# Altium PCB PCB.PcbDoc
Units mil, origin at the board's own origin, x right, y up, seen from the top; angles counter-clockwise.
Board outline 3937.01 x 3937.01 mil, 2 copper layers (Top Layer, Bottom Layer); 53 components, 44 nets, 216 pads, 45 vias.
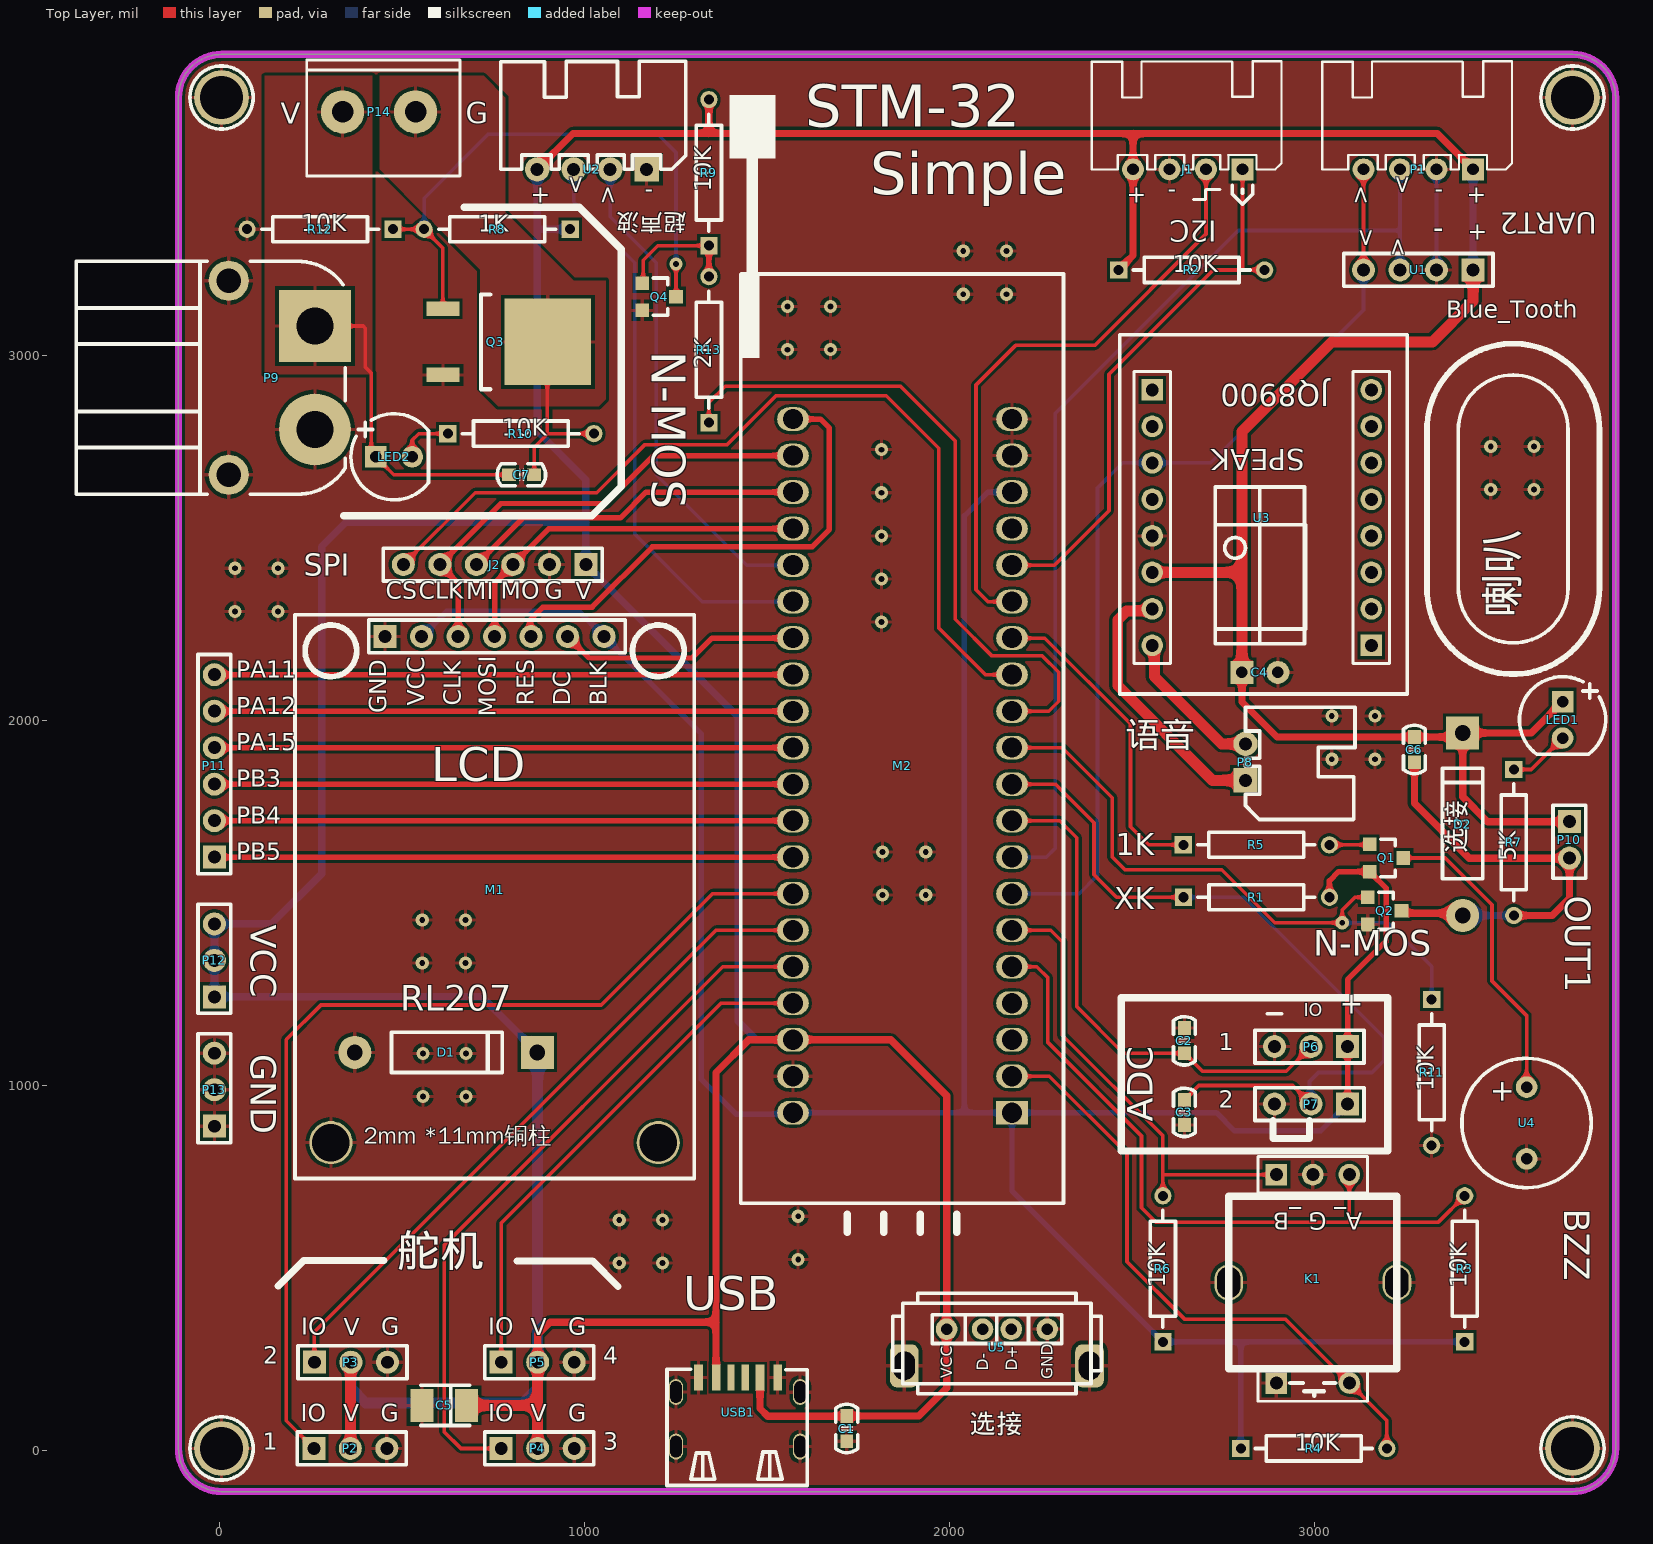
[diagram p0: Top Layer view]
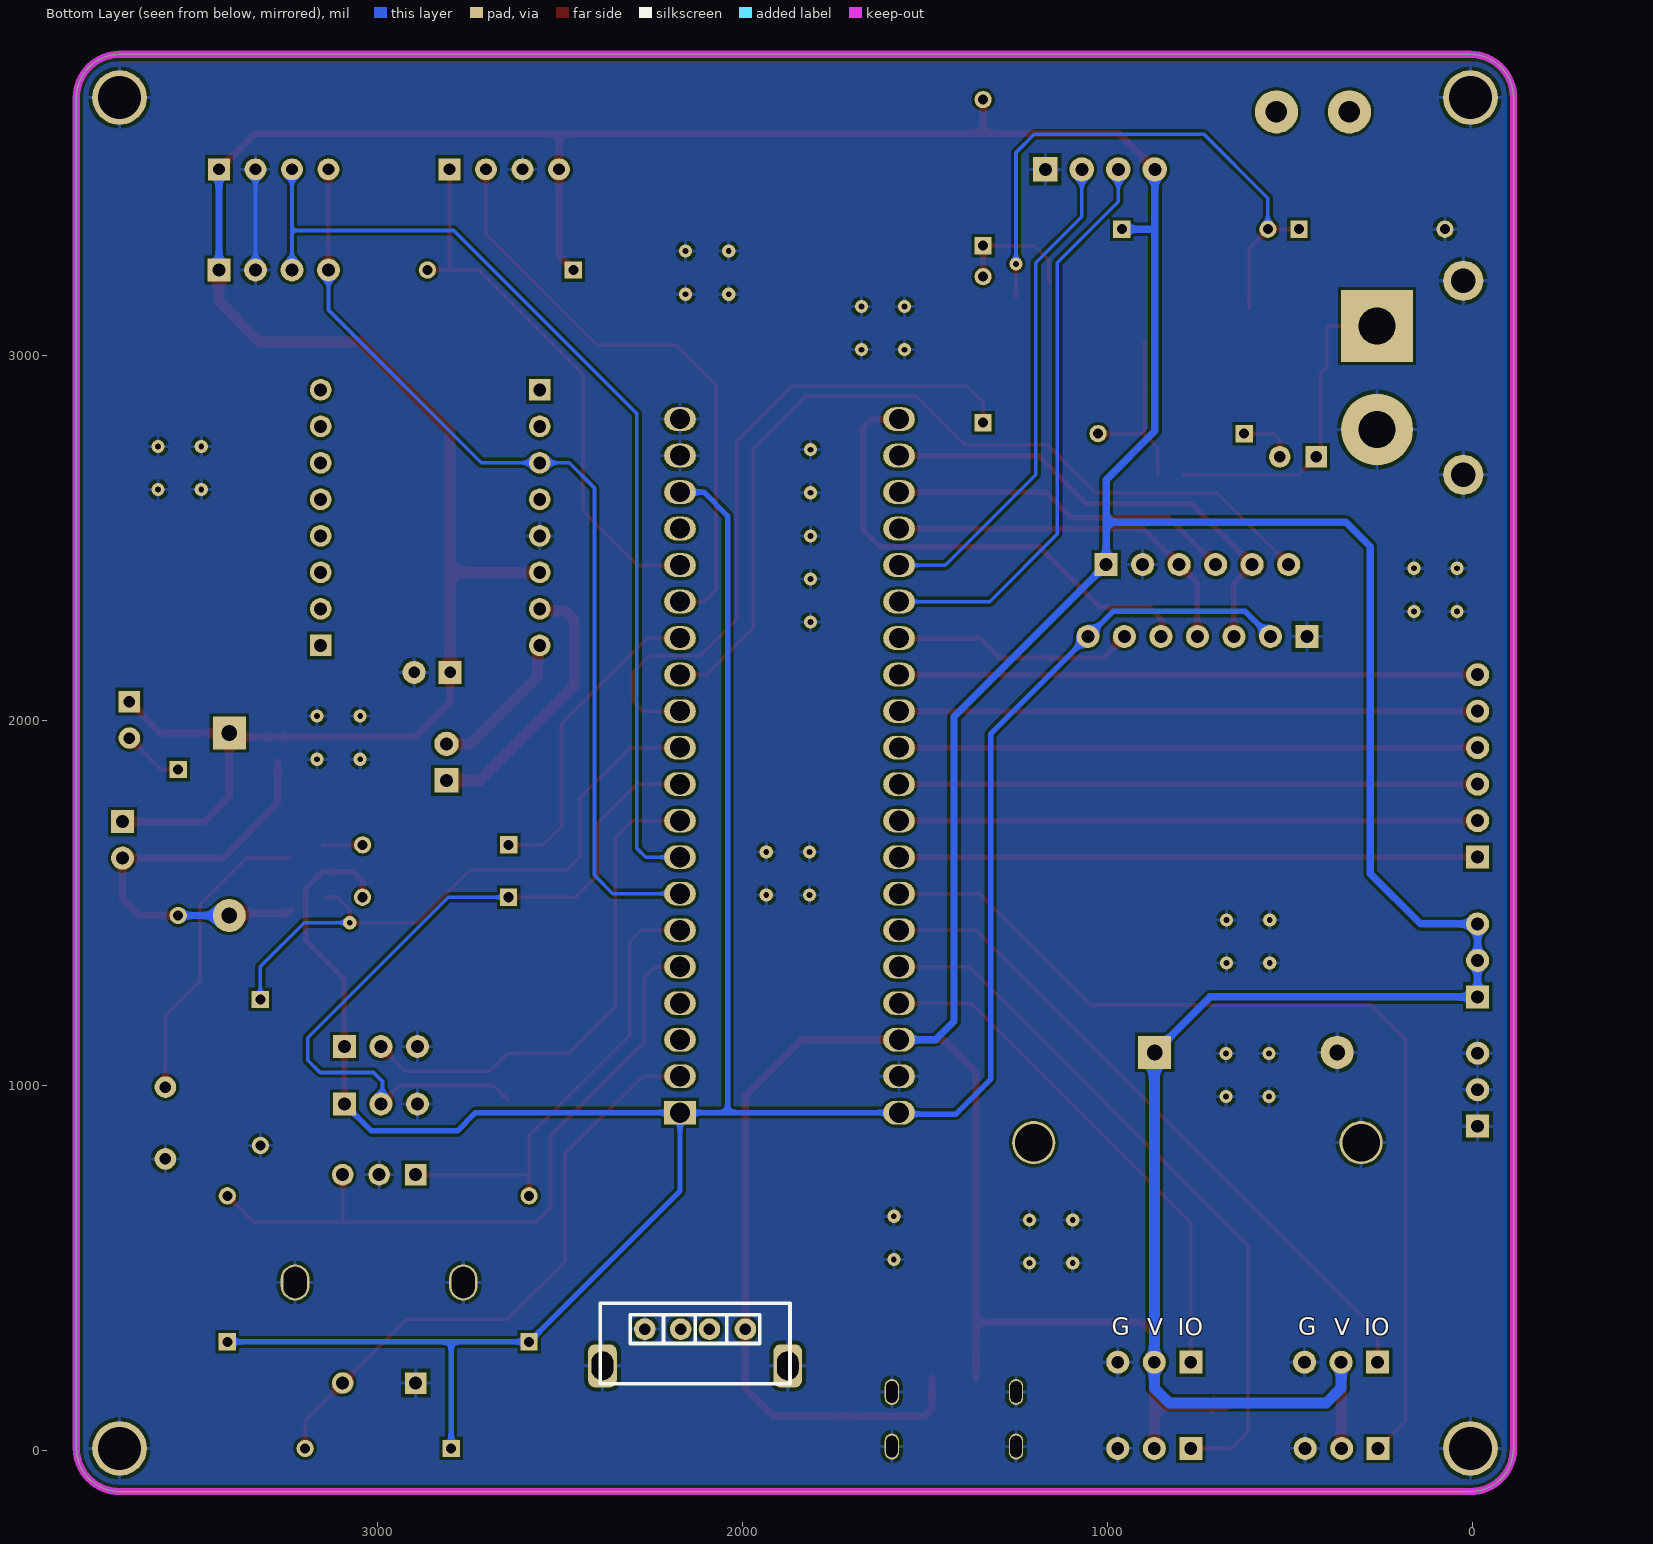
[diagram p1: Bottom Layer view, seen from below]

## Layer stack, top to bottom
Top Solder: solder mask 0.4, Solder Resist, Dk 3.5
Top Layer: signal copper 1.4
Dielectric 1: dielectric 12.6, FR-4, Dk 4.8
Bottom Layer: signal copper 1.4
Bottom Solder: solder mask 0.4, Solder Resist, Dk 3.5

## Board outline
-113.11,5 ccw(c5,5) 5,-113.11 3705.79,-113.11 ccw(c3705.79,5) 3823.9,5 3823.9,3705.79 ccw(c3705.79,3705.79) 3705.79,3823.9 5,3823.9 ccw(c5,3705.79) -113.11,3705.79

## Design rules (kind name [scope] priority, off if disabled: settings)
Clearance [All] p1: gap=8 ignorepadtopadclearanceinfootprint=TRUE
Height [All] p1: minheight=0 maxheight=2000 prefheight=10
HoleSize [All] p1: absolutevalues=TRUE maxlimit=196.85 minlimit=0.98 maxpercent=80.000 minpercent=20.000
HoleToHoleClearance [All] p1: gap=8 allowstackedmicrovias=TRUE
MinimumSolderMaskSliver [All] p1: minsoldermaskwidth=4
PolygonConnect [All] p1: connectstyle=Relief reliefconductorwidth=10 reliefentries=4 polygonreliefangle="90 Angle" airgapwidth=10
RoutingVias [All] p1: holewidth=12 width=20 viastyle="Through Hole" minholewidth=12 minwidth=20 maxholewidth=28 maxwidth=50
SilkToSilkClearance [All] p1: silktosilkclearance=0
SilkToSolderMaskClearance [IsPad] p1: minsilkscreentomaskgap=0 clearancetoexposedcopper=TRUE
SolderMaskExpansion [All] p1: expansion=4 istentingtop=FALSE
Width [All] p1: maxlimit=60 minlimit=8 preferedwidth=10
24 further rules are at their usual default settings.

## Components (designator, comment, footprint, x,y, rotation, side; value= is the part's Value field where it differs from the comment)
C1 "100NF" CAP_0603 1717.6,24.68 r90 top
C2 "100NF" CAP_0603 2642.8,1156.68 r270 top
C3 "100NF" CAP_0603 2642.8,890.83 r90 top
C4 "220UF" CAP_PR_2.5_6.3_RA 2849.49,2130.98 r0 top
C5 "100UF" CAP_3528_B 615.24,123.11 r0 top
C6 "100NF" CAP_0603 3272.72,1884.92 r90 top
C7 "100NF" CAP_0603 861.3,2672.32 r180 top
D1 "RL207" Diode_DO15 620,1090 r180 top
D2 "RL207" Diode_DO15 3405,1715 r270 top
J1 "IIC" IIC-XH2.54-4PIN 2801.85,3508.94 r180 top
J2 "SPI" "Header 2.54X6" 753.03,2426.26 r180 top
K1 "EC11" EC-11 2997.13,457.76 r180 top
LED1 "LED_R/G/B/Y" LED_5MM 3678.58,2001.1 r270 top
LED2 "LED_R/G/B/Y" LED_5MM 477.44,2721.54 r0 top
M1 "ST7899 1.3寸模块" LCD_1.3_MODE 453.03,2229.41 r0 top
M2 "STM32F103C8t6最小系统板" STM32F103C8_SIMPLE 2170.35,924.69 r180 top
P1 "UART" UART 3433.35,3508.94 r180 top
P2 "Header3" PWM_Steer-F 257.76,5 r0 top
P3 "Header3" PWM_Steer-B 259.33,241.22 r0 top
P4 "Header3" PWM_Steer-F 771.14,5 r0 top
P5 "Header3" PWM_Steer-B 771.14,241.22 r0 top
P6 "Header 3" "Header 2.54X3" 2989.61,1106.06 r180 top
P7 "Header 3" "Header 2.54X3" 2989.61,948.58 r180 top
P8 "OUT" XH2.54-WI-2P 2810,1885 r90 top
P9 "OUT" XT60-PW-M20 142.8,2938.07 r270 top
P10 "OUT" "Header 2.54X2" 3697.48,1672.09 r270 top
P11 "Header 6" "Header 2.54X6" -14.68,1874.68 r90 top
P12 "Header 3" "Header 2.54X3" -14.68,1342.01 r90 top
P13 "Header 3" "Header 2.54X3" -14.68,987.68 r90 top
P14 "OUT" PIN-2_5.08 336.5,3666.42 r0 top
Q1 "PNP" SOT23_3 3196.26,1622.6 r180 top
Q2 "MOS-N" SOT23_3 3191.26,1477.6 r180 top
Q3 "MOS-N" TO252_2 831.77,3036.5 r0 top
Q4 "NPN" SOT23_3 1203.74,3160 r180 top
R1 "XK" RES_0.4_1/4W 2840,1515 r0 top
R2 "10K" RES_0.4_1/4W 2662.48,3233.35 r0 top
R3 "10K" RES_0.4_1/4W 3410.51,497.13 r90 top
R4 "10K" RES_0.4_1/4W 2997.13,5 r0 top
R5 "1K" RES_0.4_1/4W 2839.65,1658.54 r0 top
R6 "10K" RES_0.4_1/4W 2583.74,497.13 r90 top
R7 "5K" RES_0.4_1/4W 3545,1665 r270 top
R8 "1K" RES_0.4_1/4W 760,3345 r180 top
R9 "10K" RES_0.4_1/4W 1340,3500 r90 top
R10 "10K" RES_0.4_1/4W 825,2785 r0 top
R11 "10K" RES_0.4_1/4W 3320,1035 r270 top
R12 "10K" RES_0.4_1/4W 275,3345 r180 top
R13 "2K" RES_0.4_1/4W 1340,3015 r90 top
U1 "Blue_Tooth 2.0/5.0" uart-Haerd 3433.35,3233.35 r0 top
U2 "HC-SR04" Ultrasonic 1169.57,3508.94 r180 top
U3 "JQ8900" SpkMo 2851.61,2703 r0 top
U4 "BEE" BEE-FMQ5mm 3580,995 r270 top
U5 "USB-OUT" USB_Bout 2190.04,319.96 r0 top
USB1 "Type_c母座 6p简易型" USB-Type-c_6P 1422.32,103.43 r0 top

## Footprints (in the part's own frame and the unit in brackets; to place one, negate y for a bottom-side part, rotate by r counter-clockwise, add the part's x,y. Pads: shape width x height; smd on the part's side, far side on the other; paste and mask are expansions set on the pad)
BEE-FMQ5mm [mm]
  round 1.5 hole 0.8: 1(0,0) 2(5,0)
  silkscreen extent -2,-4.5 7,4.5, body extent -2,-4.5 7,4.5, height 4.5
CAP_0603 [mil]
  rect 38x35 smd: 1(0,0) 2(69,0)
  silkscreen extent -31,-30 101,30, body extent 4,-16 67,16, height 12
CAP_3528_B [mm]
  rect 1.6x2.3 smd: 1(1.55,0) 2(-1.55,0)
  silkscreen extent -1.65,-1.4 1.75,1.4, body extent -1.75,-1.4 1.75,1.4, height 1.9
CAP_PR_2.5_6.3_RA [mm] "6.3X11"
  rect 1.6x1.6 hole 0.8: 1(-1.25,0)
  round 1.6 hole 0.8: 2(1.25,0)
  silkscreen extent -3.1,2 3.1,12.9, body extent -3.18,-0.3 3.18,13.02, height 6.38
Diode_DO15 [mm]
  rect 2.3x2.3 hole 1.1: 1(-6.35,0)
  round 2.3 hole 1.1: 2(6.35,0)
  silkscreen extent -3.9,-1.4 3.8,1.4, body extent -6.73,-1.76 6.83,1.8, height 3.58
EC-11 [mm]
  oval 2x2.5 hole 2.2 slot 1.6 at 0 deg: 0(-5.782,-0.051) 0(5.918,-0.051)
  round 1.5 hole 0.9: 1(-2.472,-7.551) 2(-2.472,6.949) 5(0.068,-7.551)
  rect 1.5x1.5 hole 0.9: 3(2.608,6.949) 4(2.608,-7.551)
  silkscreen extent -5.78,-8.82 5.92,8.22, body extent -6.92,-7.75 7.07,6.5, height 20.05
"Header 2.54X2" [mm]
  rect 1.6x1.6 hole 0.9: 1(-1.27,0)
  round 1.6 hole 0.9: 2(1.27,0)
  silkscreen extent -2.41,-1.14 2.67,1.14, body extent -2.41,-1.23 2.67,1.27, height 8.3
"Header 2.54X3" [mm]
  rect 1.6x1.6 hole 0.9: 1(-2.54,0)
  round 1.6 hole 0.9: 2(0,0) 3(2.54,0)
  silkscreen extent -3.68,-1.14 3.9,1.14, body extent -3.68,-1.23 3.94,1.27, height 8.3
"Header 2.54X6" [mm]
  rect 1.6x1.6 hole 0.9: 1(-6.35,0)
  round 1.6 hole 0.9: 2(-3.81,0) 3(-1.27,0) 4(1.27,0) 5(3.81,0) 6(6.35,0)
  silkscreen extent -7.49,-1.14 7.75,1.14, body extent -7.49,-1.23 7.75,1.27, height 8.3
IIC-XH2.54-4PIN [mil] "-XH2.54-4PIN-"
  rect 60x60 hole 32: 1(0,0)
  round 60 hole 32: 2(100,0) 3(200,0) 4(300,0)
  silkscreen extent -107,-296 413,96, body extent -105,-300 415,11, height 236
LCD_1.3_MODE [mm]
  round 3 hole 2.6: 0(-3.77,-35.22) 0(19.01,-35.22)
  rect 1.6x1.6 hole 0.9: 1(0,0)
  round 1.6 hole 0.9: 2(2.54,0) 3(5.08,0) 4(7.62,0) 5(10.16,0) 6(12.7,0) 7(15.24,0)
  silkscreen extent -6.27,-37.72 21.51,1.5, body extent -6.47,-37.72 21.71,1.5, height 17.05
LED_5MM [mm]
  rect 1.5x1.5 hole 0.8: 1(-1.27,0)
  round 1.5 hole 0.8: 2(1.27,0)
  silkscreen extent -3,-3 2.4,3, body extent -3,-3 2.5,3, height 8.5
PIN-2_5.08 [mm]
  round 3 hole 1.5: 1(0,0) 2(5.08,0)
  silkscreen extent -2.49,-4.47 8.18,3.61, body extent -2.48,-4.58 8.12,3.02, height 10
PWM_Steer-B [mm]
  rect 1.6x1.6 hole 0.9: 1(0,0)
  round 1.6 hole 0.9: 2(2.54,0) 3(5.08,0)
  silkscreen extent -1.14,-1.14 6.44,1.14, body extent -1.27,-7.01 6.35,1.26, height 4.43
PWM_Steer-F [mm]
  rect 1.6x1.6 hole 0.9: 1(0,0)
  round 1.6 hole 0.9: 2(2.54,0) 3(5.08,0)
  silkscreen extent -1.14,-1.14 6.44,1.14, body extent -1.27,-7.01 6.35,1.26, height 4.43
RES_0.4_1/4W [mm]
  rect 1.2x1.2 hole 0.7: 1(-5.08,0)
  round 1.2 hole 0.7: 2(5.08,0)
  silkscreen extent -4.06,-0.87 4.06,0.87, body extent -5.38,-1.25 5.38,1.27, height 2.56
SOT23_3 [mm]
  rect 0.95x0.95 smd: 1(1.175,-0.95) 2(1.175,0.95) 3(-1.175,0)
  silkscreen extent -0.6,-1.3 0.4,1.3, body extent -1.34,-1.5 1.3,1.5, height 1.08
SpkMo [mm]
  rect 1.5x1.5 hole 0.9: 1(-7.544,5.131) 9(7.696,-12.649)
  round 1.5 hole 0.9: 2(-7.544,2.591) 3(-7.544,0.051) 4(-7.544,-2.489) 5(-7.544,-5.029) 6(-7.544,-7.569) 7(-7.544,-10.109) 8(-7.544,-12.649) 10(7.696,-10.109) 11(7.696,-7.569) 12(7.696,-5.029) 13(7.696,-2.489) 14(7.696,0.051) 15(7.696,2.591) 16(7.696,5.131)
  silkscreen extent -9.81,-16.04 10.19,8.96, body extent -9.8,-16 10.26,9.58, height 14.79
STM32F103C8_SIMPLE [mm]
  rect 2.2x1.66 hole 1.4: 1(0,0)
  oval 2.2x1.66 hole 1.4: 2(0,-2.54) 3(0,-5.08) 4(0,-7.62) 5(0,-10.16) 6(0,-12.7) 7(0,-15.24) 8(0,-17.78) 9(0,-20.32) 10(0,-22.86) 11(0,-25.4) 12(0,-27.94) 13(0,-30.48) 14(0,-33.02) 15(0,-35.56) 16(0,-38.1) 17(0,-40.64) 18(0,-43.18) 19(0,-45.72) 20(0,-48.26) 21(15.24,-48.26) 22(15.24,-45.72) 23(15.24,-43.18) 24(15.24,-40.64) 25(15.24,-38.1) 26(15.24,-35.56) 27(15.24,-33.02) 28(15.24,-30.48) 29(15.24,-27.94) 30(15.24,-25.4) 31(15.24,-22.86) 32(15.24,-20.32) 33(15.24,-17.78) 34(15.24,-15.24) 35(15.24,-12.7) 36(15.24,-10.16) 37(15.24,-7.62) 38(15.24,-5.08) 39(15.24,-2.54) 40(15.24,0)
  silkscreen extent -3.58,-70.81 19.67,6.29, body extent -3.96,-70.9 19.9,6.29, height 25.5
TO252_2 [mm]
  rect 2.3x1 smd: 1(-5.6,2.3) 2(-5.6,-2.3)
  rect 6x6 smd: 3(1.7,0)
  silkscreen extent -2.95,-3.29 -2.29,3.29, body extent -5.5,-3.29 4.2,3.29, height 2.3
UART [mil] "-XH2.54-4PIN"
  rect 60x60 hole 32: 1(0,0)
  round 60 hole 32: 2(100,0) 3(200,0) 4(300,0)
  silkscreen extent -107,-296 413,0, body extent -105,-300 415,11, height 236
uart-Haerd [mm]
  rect 1.6x1.6 hole 0.9: 1(0,0)
  round 1.6 hole 0.9: 2(-2.54,0) 3(-5.08,0) 4(-7.62,0)
  silkscreen extent -9,-1.14 1.39,1.14, body extent -9.02,-1.25 1.4,1.25, height 8.6
Ultrasonic [mm] "-XH2.54-4PIN"
  round 1.7 hole 0.9: 1(7.62,0) 2(5.08,0) 3(2.54,0)
  rect 1.7x1.7 hole 0.9: 4(0,0)
  silkscreen extent -2.72,-7.53 10.16,0, body extent -2.5,-7.35 10.12,0.35, height 5.73
USB-Type-c_6P [mm]
  oval 1x1.8 hole 0.8 slot 1.5 at 90 deg: A(-4.38,1.43) B(4.256,1.43) C(-4.38,-2.37) D(4.256,-2.37)
  rect 0.5x1.8 smd: A5(-0.56,2.43) B5(0.44,2.43)
  rect 0.6x1.8 smd: A9(1.47,2.43) A12(2.69,2.43) B9(-1.59,2.43) B12(-2.81,2.43)
  silkscreen extent -5,-5.08 4.76,3, body extent -4.53,-4.97 4.41,1.83, height 3.22
USB_Bout [mm] "USB"
  round 1.5 hole 0.8: 1(-5.05,0.3) 2(-2.55,0.3) 3(-0.55,0.3) 4(1.95,0.3)
  rrect50% 2x3 hole 2 slot 1.5 at 0 deg: 5(4.9,-2.25) 6(-8,-2.25)
  silkscreen extent -8.8,-4.2 5.7,2.8, body extent -9.35,-12.59 6.45,1.57, height 2.2
XH2.54-WI-2P [mm] "接插件，2P"
  rect 1.7x1.7 hole 0.9: 1(-1.27,0)
  round 1.7 hole 0.9: 2(1.27,0)
  silkscreen extent -3.99,-7.62 3.81,0, body extent -3.77,-7.35 3.77,0.35, height 5.73
XT60-PW-M20 [mm] "长：18.8mm， 宽：16mm，高：8.6mm"
  round 2.8 hole 1.7: 0(-6.75,-3) 0(6.75,-3)
  rect 5x5 hole 2.6: 1(-3.6,3)
  round 5 hole 2.6: 2(3.6,3)
  silkscreen extent -8.1,-13.6 8.1,5.1, body extent -7.75,-14.97 7.75,5.03, height 9.7

## Part data
C1 C2 C3 C6 C7: library part CAP, "CAP  12~50V"
C4: library part CAP_BIG, "CAP 12V ~ 50V   电解电容"
C5: library part CAP_TA, "CAP  6~12V  钽电容"
D1 D2: library part Diode-DO, "Diode_肖特基/二极管  / 直插"
J1: "MLX90614 GY-906-BCC"
J2: "Heard"
K1: library part EN-CODE, "KEY"
LED1 LED2: library part LED, "LED 5MM"
M1: library part LCD_TFT_1.3_MODE, "SHOW"
M2: library part STM32F103C-Sys, "Mode STM32F103C8t6最小系统板"
P1: "Header XH2.54 弯针座 4PIN"
P2 P3 P4 P5: library part PWM_D, "Header"
P6 P7 P12 P13: "Header, 3-Pin", LatestRevisionDate=17-Jul-2002, LatestRevisionNote="Re-released for DXP Platform.", Publisher="Altium Limited"
P8 P10: library part OUT_2PIN, "Header"
P9: library part "IN _2PIN", "Header"
P11: "Header, 6-Pin", LatestRevisionDate=17-Jul-2002, LatestRevisionNote="Re-released for DXP Platform.", Publisher="Altium Limited"
P14: library part OUT_2PIN, "Header KF127a-5.08-2PIN"
Q2: "MOSFET N-CH SI2308", Current - Continuous Drain (Id) @ 25°C=-, Drive Voltage (Max Rds On,  Min Rds On)="4.5V, 10V", Input Capacitance (Ciss) (Max) @ Vds="3600pF @ 25V", Manufacturer="ON Semiconductor", Manufacturer Part Number=NTMFS5C628NLT1G, Operating Temperature="-55°C ~ 175°C (TJ)", Package / Case=8-PowerTDFN, Power Dissipation (Max)="3.7W (Ta), 110W (Tc)", Supplier Device Package="5-DFN (5x6) (8-SOFL)", Supplier Part Number 1=NTMFS5C628NLT1GOSCT-ND, Category="Discrete Semiconductor Products", ComponentLink1Description=http://www.onsemi.com/pub/Collateral/NTMFS5C628NL-D.PDF, ComponentLink1URL=http://www.onsemi.com/pub/Collateral/NTMFS5C628NL-D.PDF, FET Feature=-, FET Type=N-Channel, Gate Charge (Qg) (Max) @ Vgs="52nC @ 10V", Mounting Type="Surface Mount", Packaging="Cut Tape (CT)", Part Status=Active, Pricing 1="1=1.8, 10=1.627, 100=1.3078, 500=1.01716 (USD)", Pricing 2="1500=0.81823 (USD)", Rds On (Max) @ Id, Vgs="2.4 mOhm @ 50A, 10V", RoHS="RoHS Compliant", Stock=1490, Supplier 1=Digi-Key, Supplier 2=Digi-Key, Supplier Part Number 2=NTMFS5C628NLT1GOSTR-ND, Technology="MOSFET (Metal Oxide)", Vgs (Max)=±20V, Vgs(th) (Max) @ Id="2V @ 135µA"
Q3: "MOSFET N-CH NCE3050K", Current - Continuous Drain (Id) @ 25°C=-, Drive Voltage (Max Rds On,  Min Rds On)="4.5V, 10V", Input Capacitance (Ciss) (Max) @ Vds="3600pF @ 25V", Manufacturer="ON Semiconductor", Manufacturer Part Number=NTMFS5C628NLT1G, Operating Temperature="-55°C ~ 175°C (TJ)", Package / Case=8-PowerTDFN, Power Dissipation (Max)="3.7W (Ta), 110W (Tc)", Supplier Device Package="5-DFN (5x6) (8-SOFL)", Supplier Part Number 1=NTMFS5C628NLT1GOSCT-ND, Category="Discrete Semiconductor Products", ComponentLink1Description=http://www.onsemi.com/pub/Collateral/NTMFS5C628NL-D.PDF, ComponentLink1URL=http://www.onsemi.com/pub/Collateral/NTMFS5C628NL-D.PDF, FET Feature=-, FET Type=N-Channel, Gate Charge (Qg) (Max) @ Vgs="52nC @ 10V", Mounting Type="Surface Mount", Packaging="Cut Tape (CT)", Part Status=Active, Pricing 1="1=1.8, 10=1.627, 100=1.3078, 500=1.01716 (USD)", Pricing 2="1500=0.81823 (USD)", Rds On (Max) @ Id, Vgs="2.4 mOhm @ 50A, 10V", RoHS="RoHS Compliant", Stock=1490, Supplier 1=Digi-Key, Supplier 2=Digi-Key, Supplier Part Number 2=NTMFS5C628NLT1GOSTR-ND, Technology="MOSFET (Metal Oxide)", Vgs (Max)=±20V, Vgs(th) (Max) @ Id="2V @ 135µA"
R1 R2 R3 R4 R5 R6 R7 R8 R9 R10 R11 R12 R13: library part RES_S, "RES 贴片"
U1: library part HC-02/06, "MODE HC-06(记得买底座 排母-4PIN)"
U2: library part Ultrasonic, "Mode"
U3: library part SPKMO_8900, "MODE"
U4: library part BZZ
U5: "USB-A母 90 度 带后盖"
USB1: library part USB-Type_c-6PIn, "USB"

## Free pads (board coordinates)
  round 149.61 hole 118.11: 1(5,5) 1(5,3705.79) 1(3705.79,5) 1(3705.79,3705.79)

## Via types
v1: diameter 36, hole 16, Top Layer to Bottom Layer, tented both sides, 45 vias

## Nets (pads, with @x,y where several pads share a name; then routed paths per layer and width w, separated by ;. In a path a pad name is that pad's centre, name@x,y a point inside that pad or via, vN(x,y) a via of type N, cw(c..) or ccw(c..) an arc to the next point about the centre after c; other vN are vias at no path point)
+5: C1.2 C4.1 C5.1 C6.2 D1.1 D2.1 J1.4 J2.1 LED1.1 M2.38 P1.1 P2.2 P3.2 P4.2 P5.2 P10.1 P12.1 P12.2 P12.3 R2.1 R8.1 R9.2 U1.1 U2.1 U3.6 U5.1 USB1.A9 USB1.B9 | length 18477.5
  Top Layer w20: U2.1 967.99,3607.36 1340,3607.36 ; P5.2 871.14,317.6 904.61,351.06 1359.72,351.06 ; R9.2 1340,3607.36 ; USB1.B9 1359.72,351.06 ; USB1.A9 1480.2,114.45 1501.06,93.58 1717.5,93.58 C1.2 1914.55,93.69 1991.22,170.35 U5.1 1991.22,971.54 1838.07,1124.68 M2.38 1449.49,1124.68 1359.72,1034.92 1359.72,351.06 ; R2.1 2501.85,3272.72 J1.4 2501.85,3607.36 ; C4.1 2800.28,2049.72 2896.08,1953.92 C6.2 3393.92,1953.92 D2.1 ; P1.1 3334.92,3607.36 2501.85,3607.36 ; LED1.1 3592.48,1965 D2.1 ; P10.1 3472.91,1722.09 3405,1790 D2.1 ; 1340,3607.36 2501.85,3607.36
  Top Layer w30: P2.2 358.54,5.79 358.54,240.43 P3.2 ; C5.1 871.14,123.11 ; P4.2 871.14,123.11 ; P5.2 871.14,123.11 ; U3.6 2800.28,2405 ; C4.1 2800.28,2405 ; U1.1 3433.35,3147.91 3321.93,3036.5 3046.34,3036.5 2800.28,2790.43 2800.28,2405
  Bottom Layer w20: U2.1 869.57,3350 ; D1.1 719.13,1240.87 719.13,1242.01 P12.1 P12.2 P12.3 142.01,1442.01 279.61,1579.61 279.61,2476.06 345.94,2542.4 1003.03,2542.4 ; R8.1 874.57,3345 869.57,3350 ; M2.38 1470.32,1124.68 1420,1175 1420,2009.29 J2.1 1003.03,2542.4 ; U1.1 P1.1 ; 869.57,3350 869.57,2792.01 1003.03,2658.54 1003.03,2542.4
  Bottom Layer w30: P2.2 357.76,2.24 P2.2@360,0 ; P3.2 359.33,170.67 400,130 830,130 871.14,171.14 P5.2 871.14,1090 D1.1
ADC1: C2.2 M2.9 P6.2 | length 1403.4
  Top Layer w10: M2.9 2301.06,1724.68 2347.52,1678.23 2347.52,1215.63 2475.47,1087.68 C2.2 2642.8,1086.18 2655.3,1073.68 2656.8,1073.68 2692.01,1038.46 2922.01,1038.46 P6.2
ADC2: C3.2 M2.10 P7.2 R1.1 | length 2131.6
  Top Layer w10: M2.10 2289.65,1824.68 2395,1719.33 2395,1576.89 2456.89,1515 R1.1 ; C3.2 2642.8,961.33 2655.3,973.83 2656.8,973.83 2682.06,999.09 2939.09,999.09 P7.2
  Bottom Layer w10: R1.1 2805,1515 3190,1130 3190,1068.74 3156.25,1035 3010,1035 2985.51,1010.51 2985.51,948.58 P7.2
BZZ: M2.14 R5.1 | length 869
  Top Layer w10: M2.14 2260.32,2224.68 2495,1990 2495,1707.91 2544.37,1658.54 R5.1
CS_NSS2: J2.6 M2.13 | length 2463.9
  Top Layer w10: J2.6 699.88,2623.11 1033.11,2623.11 1165,2755 1390,2755 1523.86,2888.86 1826.14,2888.86 1970,2745 1970,2252.6 2097.91,2124.68 M2.13
D/C: M1.6 M2.27 | length 664.3
  Top Layer w15: M1.6 1012.09,2170.35 1294.37,2170.35 1348.7,2224.68 M2.27
EA: K1.1 M2.5 R3.2 | length 1909.3
  Top Layer w10: M2.5 2238.46,1324.68 2268.78,1294.37 2268.78,1117.2 2525,860.98 2525,664.13 2564.06,625.08 3095.55,625.08 ; K1.1 3094.44,626.19 3095.55,625.08 ; R3.2 3338.46,625.08 3095.55,625.08
EB: K1.4 M2.6 R6.2 | length 1272.4
  Top Layer w10: M2.6 2276.26,1424.68 2308.15,1392.8 2308.15,1136.89 2583.74,861.3 2583.74,753.03 ; R6.2 2583.74,753.03 ; K1.4 2585.74,755.03 2583.74,753.03
Echo: M2.25 U2.3 | length 1365.9
  Bottom Layer w10: U2.3 1069.57,3379.41 1195.94,3253.03 1195.94,2672.32 1443.58,2424.68 M2.25
GND: C1.1 C2.1 C3.1 C4.2 C5.2 D1.2 J1.3 J2.2 K1.0 K1.3 K1.5 M1.0@304.61,842.8 M1.1 M2.19 M2.20 M2.39 P1.2 P2.3 P3.3 P4.3 P5.3 P6.3 P7.3 P9.0 P9.2 P13.1 P13.2 P13.3 pad.1 Q2.2 Q3.2 Q4.2 R11.2 R12.2 U1.2 U2.4 U3.5 U4.2 U5.4 U5.5 U5.6 USB1.A USB1.A12 USB1.B USB1.B12 USB1.C USB1.D | length 275.6
  Bottom Layer w10: U1.2 P1.2
  other v1: 1094.61,512.95 1212.72,512.95 1584.61,522.95 1094.61,631.06 1212.72,631.06 1584.61,641.06 556.89,968.78 675,968.78 556.89,1086.89 675,1086.89 555,1335 673.11,1335 555,1453.11 673.11,1453.11 1816.02,1520.75 1934.13,1520.75 1816.02,1638.86 1934.13,1638.86 3046.5,1892.95 3164.61,1892.95 3046.5,2011.06 3164.61,2011.06 1812.72,2268.62 41.5,2297.95 159.61,2297.95 1812.72,2386.73 41.5,2416.06 159.61,2416.06 1812.72,2504.84 1812.72,2622.95 3481.89,2631.89 3600,2631.89 1812.72,2741.06 3481.89,2750 3600,2750 1555,3015 1673.11,3015 1555,3133.11 1673.11,3133.11 2036.89,3166.89 2155,3166.89 2036.89,3285 2155,3285
IN+: C7.2 LED2.1 P9.1 P14.1 | length 889.8
  Top Layer w10: P9.1 392.84,3079.8 398.7,3073.95 398.7,2967.6 415,2951.3 415,2733.98 476.65,2672.32 C7.2
IOO1: M2.33 P11.1 | length 1585
  Top Layer w15: P11.1 M2.33
IOO2: M2.32 P11.2 | length 1585
  Top Layer w15: P11.2 M2.32
IOO3: M2.31 P11.3 | length 1585
  Top Layer w15: P11.3 M2.31
IOO4: M2.30 P11.4 | length 1585
  Top Layer w15: P11.4 M2.30
IOO5: M2.29 P11.5 | length 1585
  Top Layer w15: P11.5 M2.29
IOO6: M2.28 P11.6 | length 1585
  Top Layer w15: P11.6 M2.28
KEY: K1.2 M2.2 R4.2 | length 1666.9
  Top Layer w10: M2.2 2272.72,1024.68 2485.32,812.09 2485.32,516.81 2642.8,359.33 2919.28,359.33 K1.2 3197.13,81.48 R4.2
MISO: J2.4 M2.23 | length 949.5
  Top Layer w15: J2.4 830.98,2554.21 1097.76,2554.21 1168.23,2624.68 M2.23
MOS_1: M2.11 Q2.1 R11.1 | length 1702.7
  Top Layer w10: M2.11 2307.76,1924.68 2445,1787.44 2445,1625 2480,1590 2745,1590 2890,1445 v1(3075,1445) 3075,1480 3110,1515 Q2.1
  Bottom Layer w10: v1(3075,1445) 3200,1445 3320,1325 R11.1
MOS_2: M2.12 R13.1 | length 1861
  Top Layer w10: R13.1 1340,2870 1385,2915 1865,2915 2015,2765 2015,2276.5 2115.43,2176.06 2253.23,2176.06 2298.31,2130.98 2298.31,2052.24 2270.75,2024.68 M2.12
MOSI: J2.3 M1.4 M2.24 | length 1025.7
  Top Layer w15: M1.4 753.03,2376.26 901.46,2524.68 M2.24
NetLED1_2: LED1.2 R7.1 | length 169.2
  Top Layer w10: R7.1 3592.48,1865 LED1.2
NetLED2_2: LED2.2 R10.1 | length 150.7
  Top Layer w10: LED2.2 527.44,2767.44 545,2785 R10.1
NetQ1_1: Q1.1 R5.2 | length 111
  Top Layer w10: R5.2 3148.54,1658.54 Q1.1
NetQ1_3: Q1.3 U4.1 | length 834.7
  Top Layer w10: Q1.3 3357.4,1622.6 3485.45,1494.55 3485.45,1285.45 3580,1190.9 U4.1
NetQ3_1: Q3.1 Q4.3 R8.2 R12.1 | length 1587.4
  Top Layer w10: R12.1 R8.2 611.3,3293.7 Q3.1 ; Q4.3 v1(1250,3250)
  Bottom Layer w10: R8.2 560,3430 735,3605 1200,3605 1250,3555 v1(1250,3250)
NetQ4_1: Q4.1 R9.1 R13.2 | length 345.2
  Top Layer w10: Q4.1 1157.48,3197.48 1160,3200 1160,3260 1200,3300 R9.1
  Top Layer w15: R13.2 R9.1
OUT_1: C6.1 D2.2 P10.2 Q2.3 R7.2 | length 1194.1
  Top Layer w20: Q2.3 3243.82,1471.3 3398.7,1471.3 D2.2 ; C6.1 3272.72,1772.28 3422.91,1622.09 P10.2 3697.48,1512.48 3650,1465 R7.2
  Bottom Layer w20: D2.2 R7.2
OUT_2: C7.1 P14.2 Q3.3 R10.2 | length 506.5
  Top Layer w10: C7.1 861.3,2747.6 898.7,2785 R10.2 ; 897.4,2785 897.4,3035.2 Q3.3
PWM1: M2.34 P2.1 | length 2705.1
  Top Layer w10: P2.1 182.17,80.59 182.17,1125 277.17,1220 1045.32,1220 1350,1524.68 M2.34
PWM2: M2.35 P3.1 | length 1849.9
  Top Layer w10: P3.1 259.33,324.33 1359.68,1424.68 M2.35
PWM3: M2.36 P4.1 | length 1957.7
  Top Layer w10: P4.1 660.67,5 614.61,51.06 614.61,561.06 1378.23,1324.68 M2.36
PWM4: M2.37 P5.1 | length 1430
  Top Layer w10: P5.1 771.14,622.6 1373.23,1224.68 M2.37
RES: M1.5 M2.21 | length 1356.8
  Top Layer w15: M1.5 853.03,2231.97 850,2235 850,2275 885,2310 1020,2310 1185,2475 1622.65,2475 1670,2522.35 1670,2800 1645.32,2824.68 M2.21
RXD: M2.8 P1.3 U1.3 | length 2747.4
  Bottom Layer w10: M2.8 2264.45,1624.68 2288.46,1648.7 2288.46,2839.65 2790.43,3341.61 3233.35,3341.61 ; U1.3 3233.35,3341.61 ; P1.3 3233.35,3341.61
SCL: J1.2 M2.15 | length 1651.3
  Top Layer w10: M2.15 2104.61,2324.68 2071.93,2357.36 2071.93,2918.39 2180.2,3026.65 2396.73,3026.65 2701.85,3331.77 J1.2
SCLK: J2.5 M1.3 M2.22 | length 1308.5
  Top Layer w15: M1.3 653.03,2376.26 J2.5 770.35,2593.58 1057.13,2593.58 1188.23,2724.68 M2.22
SDA: J1.1 M2.16 R2.2 | length 1522.3
  Top Layer w10: M2.16 2286.89,2424.68 2436.1,2573.9 2436.1,2947.91 2721.54,3233.35 2800.61,3233.35 ; J1.1 2801.85,3234.58 2800.61,3233.35 ; R2.2 2800.61,3233.35
SPK+: P8.2 U3.8 | length 413.9
  Top Layer w30: U3.8 2560.17,2199.44 2560.17,2119.83 2745,1935 P8.2
SPK-: P8.1 U3.7 | length 744.7
  Top Layer w30: U3.7 2549.05,2299.44 2484.44,2299.44 2460,2275 2460,2095 2720,1835 P8.1
Trig: M2.26 U2.2 | length 1578.5
  Bottom Layer w10: U2.2 969.57,3420.43 1136.89,3253.11 1136.89,2510 1322.2,2324.68 M2.26
TXD: M2.7 P1.4 U1.4 U3.3 | length 2632.3
  Top Layer w10: U1.4 P1.4
  Bottom Layer w10: M2.7 2354.41,1524.68 2404.61,1574.88 2404.61,2636.06 2473.54,2705 U3.3 2714.84,2705 3133.35,3123.5 U1.4
VDD: M1.2 M1.7 M2.1 M2.18 M2.40 P6.1 P7.1 Q1.2 R1.2 R3.1 R4.1 R6.1 | length 8320.9
  Top Layer w15: R1.2@3037.39,1517.61 R1.2 3040,1560 3065,1585 3149.8,1585 Q1.2 3195,1540.2 3195,1395 3089.61,1289.61 P6.1 P7.1
  Bottom Layer w15: M1.2 621.93,2298.31 984.13,2298.31 M1.7 1319.61,1962.83 1319.61,1016.06 1414.61,921.06 1566.73,921.06 M2.40 2040,924.69 ; M2.18 2104.68,2624.68 2040,2560 2040,924.69 ; R4.1 2797.13,297.13 ; P7.1 3016.02,875 2780,875 2730.32,924.69 M2.1 ; R3.1 2797.13,297.13 ; 2040,924.69 M2.1 ; M2.1 2170.35,710.51 R6.1 2797.13,297.13
pads on no net: M1.0@1201.46,842.8 M2.3 M2.4 M2.17 U3.1 U3.2 U3.4 U3.9 U3.10 U3.11 U3.12 U3.13 U3.14 U3.15 U3.16 U5.2 U5.3 USB1.A5 USB1.B5

## Polygon pours and split planes (outlines as drawn)
GND on Top Layer "NONET_L-01_P-001" (solid, remove dead copper, pour order 2): -579.12,4510.13 4342.14,4510.13 4342.14,-607.98 -579.12,-607.98
OUT_2 on Top Layer "NONET_L-01_P-001" (solid, remove dead copper, pour order 1): 438.07,3764.84 723.5,3764.84 782.56,3705.79 782.56,3390.83 969.57,3203.82 1058.15,3203.82 1058.15,2879.02 1038.46,2859.33 762.87,2859.33 713.66,2908.54 713.66,3233.35 438.07,3508.94
IN+ on Top Layer "NONET_L-01_P-001" (solid, remove dead copper, pour order 0): 123.11,3764.84 418.39,3764.84 418.39,2947.91 123.11,2947.91
GND on Bottom Layer "NONET_L-01_P-001" (solid, remove dead copper, pour order 3): -465.87,4512.87 4455.39,4512.87 4455.39,-605.24 -465.87,-605.24

## Keep-outs
Keep-Out Layer:
  the board outline again, w20

## Silkscreen, mask and mechanical layers (free items; w line width, h text height)
Top Overlay:
  circle w10: c5,5 r86.61
  circle w10: c3705.79,5 r86.61
  circle w10: c3705.79,3705.79 r86.61
  circle w10: c5,3705.79 r86.61
  lines w10: 2869.61,1195.75 2909.61,1195.75 ; 3779.53,2362.2 3779.53,2795.28 ; 3392.97,2362.2 ccw(c3543.31,2362.2) 3693.64,2362.2 3693.64,2795.28 ccw(c3543.31,2795.28) 3392.97,2795.28 3392.97,2362.2
  lines w16: 3307.09,2362.2 ccw(c3543.31,2362.2) 3779.53,2362.2 3779.53,2795.28 ccw(c3543.31,2795.28) 3307.09,2795.28 3307.09,2362.2
  lines w20: 340,2560 1020,2560 1100,2640 1100,3290 985,3405 670,3405 ; 815,518.78 1021.22,518.78 1091.22,448.78 ; 1719.39,596.85 1719.39,646.85 ; 1819.39,596.85 1819.39,646.85 ; 1919.39,596.85 1919.39,646.85 ; 2019.39,596.85 2019.39,646.85 ; 2885.33,903.58 2885.33,853.88 2985.33,853.88 2985.33,903.58 ; 230,520 450,520 230,520 ; 230,520 160,450 230,520 ; 2470,820 2470,1240 3200,1240 3200,820 2470,820
  text "10K" at 1362.29,3447.91 h80 r90
  text "UART2" at 3771.85,3408.64 h100 r180
  text "超声波" at 1280,3401.79 h80 r180
  text "I2C" at 2730.91,3388.01 h100 r180
  text "10K" at 222.91,3322.71 h80
  text "1K" at 707.91,3321.97 h80
  text "1K" at 707.91,3321.97 h80
  text "10K" at 2610.39,3211.06 h80
  text "Blue_Tooth" at 3360,3085.84 h80
  text "N-MOS" at 1151.48,3010 h160 r270
  text "2K" at 1363.03,2962.99 h80 r90
  text "10K" at 772.91,2762.71 h80
  text "CS" at 455.07,2315.74 h80
  text "CLK" at 545.07,2315.74 h80
  text "MO" at 770,2315.74 h80
  text "G" at 890.07,2315.74 h80
  text "MI" at 675,2315 h80
  text "V" at 975,2315 h80
  text "喇叭" at 3584.73,2280 h150 r90
  text "PA11" at 45.63,2100 h80
  text "PA12" at 45.63,2000 h80
  text "语音" at 2480,1902.22 h120
  text "PA15" at 45.63,1900.74 h80
  text "PB3" at 45.63,1800.74 h80
  text "LCD" at 580,1801.48 h160
  text "PB4" at 45.63,1700 h80
  text "选接" at 3430.92,1635.08 h90 r90
  text "5K" at 3567.29,1612.91 h80 r90
  text "PB5" at 45.63,1600.74 h80
  text "OUT1" at 3663.12,1519.06 h120 r270
  text "VCC" at 61.74,1440 h120 r270
  text "N-MOS" at 2995,1331.11 h120
  text "RL207" at 495,1181.11 h120
  text "+" at 3067.85,1176.86 h98.43
  text "IO" at 2969.61,1176.3 h60
  text "GND" at 61.74,1085.56 h120 r270
  text "1" at 2736.85,1079.57 h80
  text "10K" at 3342.29,982.91 h80 r90
  text "2" at 2736.85,922.09 h80
  text "ADC" at 2578.89,900 h120 r90
  text "2mm *11mm铜柱" at 395.07,822.84 h80
  text "BZZ" at 3660,662.27 h120 r270
  text "舵机" at 485,475.82 h150
  text "10K" at 2606.03,445.04 h80 r90
  text "10K" at 3432.8,445.04 h80 r90
  text "USB" at 1270,351.48 h160
  text "2" at 119.33,221.22 h80
  text "4" at 1050,220 h80
  text "选接" at 2055.08,29.08 h90
  text "1" at 117.76,-15 h80
  text "3" at 1050,-15.48 h80
  text "10K" at 2945.04,-17.29 h80

## Text inside footprints (layer, text, board x,y; h text height)
J1: Top Overlay "+" at 2484.85,3474.7 h80 r180; Top Overlay "-" at 2619.85,3416.7 h80
K1: Top Overlay "A_ G _B" at 3130.13,667.03 h80 r180
M1: Top Overlay "BLK" at 1077.03,2039.41 h80 r90; Top Overlay "DC" at 976.29,2039.41 h80 r90; Top Overlay "RES" at 876.29,2039.41 h80 r90; Top Overlay "MOSI" at 772.29,2009.41 h80 r90; Top Overlay "CLK" at 676.29,2039.48 h80 r90; Top Overlay "VCC" at 576.29,2039.41 h80 r90; Top Overlay "GND" at 472.29,2019.48 h80 r90
M2: Top Overlay "STM-32" at 1603.88,3587.77 h196.85; Top Overlay "Simple" at 1781.83,3402.3 h196.85
P1: Top Overlay "<" at 3163.23,3464.94 h80 r90; Top Overlay "+" at 3416.35,3474.7 h80 r180; Top Overlay "<" at 3203.46,3439.94 h80 r270; Top Overlay "-" at 3351.35,3416.7 h80
P2: Top Overlay "G" at 440.76,63.41 h80; Top Overlay "V" at 338.76,62.74 h80; Top Overlay "IO" at 221.83,63.41 h80
P3: Top Overlay "G" at 442.33,299.63 h80; Top Overlay "IO" at 223.4,299.63 h80; Top Overlay "V" at 340.33,298.96 h80; Bottom Overlay "IO" at 295.25,299.23 h80; Bottom Overlay "V" at 378.33,298.96 h80; Bottom Overlay "G" at 476.33,299.63 h80
P4: Top Overlay "G" at 954.14,63.41 h80; Top Overlay "V" at 852.14,62.74 h80; Top Overlay "IO" at 735.22,63.41 h80
P5: Top Overlay "G" at 954.14,299.63 h80; Top Overlay "IO" at 735.22,299.63 h80; Top Overlay "V" at 852.14,298.96 h80; Bottom Overlay "IO" at 807.06,299.23 h80; Bottom Overlay "V" at 890.14,298.96 h80; Bottom Overlay "G" at 988.14,299.63 h80
P14: Top Overlay "V" at 167.5,3614.1 h100; Top Overlay "G" at 673.5,3615.68 h100
U1: Top Overlay "<" at 3263.71,3322.35 h80 r90; Top Overlay "<" at 3103.94,3294.35 h80 r270; Top Overlay "+" at 3418.9,3300.09 h80; Top Overlay "-" at 3323.92,3300.68 h100
U2: Top Overlay "<" at 1099.45,3464.94 h80 r90; Top Overlay "<" at 939.68,3439.94 h80 r270; Top Overlay "+" at 852.57,3474.7 h80 r180; Top Overlay "-" at 1187.57,3416.7 h80
U3: Top Overlay "SPEAK" at 2971.78,2762.07 h100 r180
U4: Top Overlay "+" at 3489,1016 h59.06 r270
U5: Top Overlay "GND" at 2282.56,193.98 h31.5 r90; Top Overlay "D+" at 2184.13,217.6 h31.5 r90; Top Overlay "D-" at 2105.39,217.6 h31.5 r90; Top Overlay "VCC" at 2006.97,197.91 h31.5 r90